# Allegro board Chronos.brd (continued)
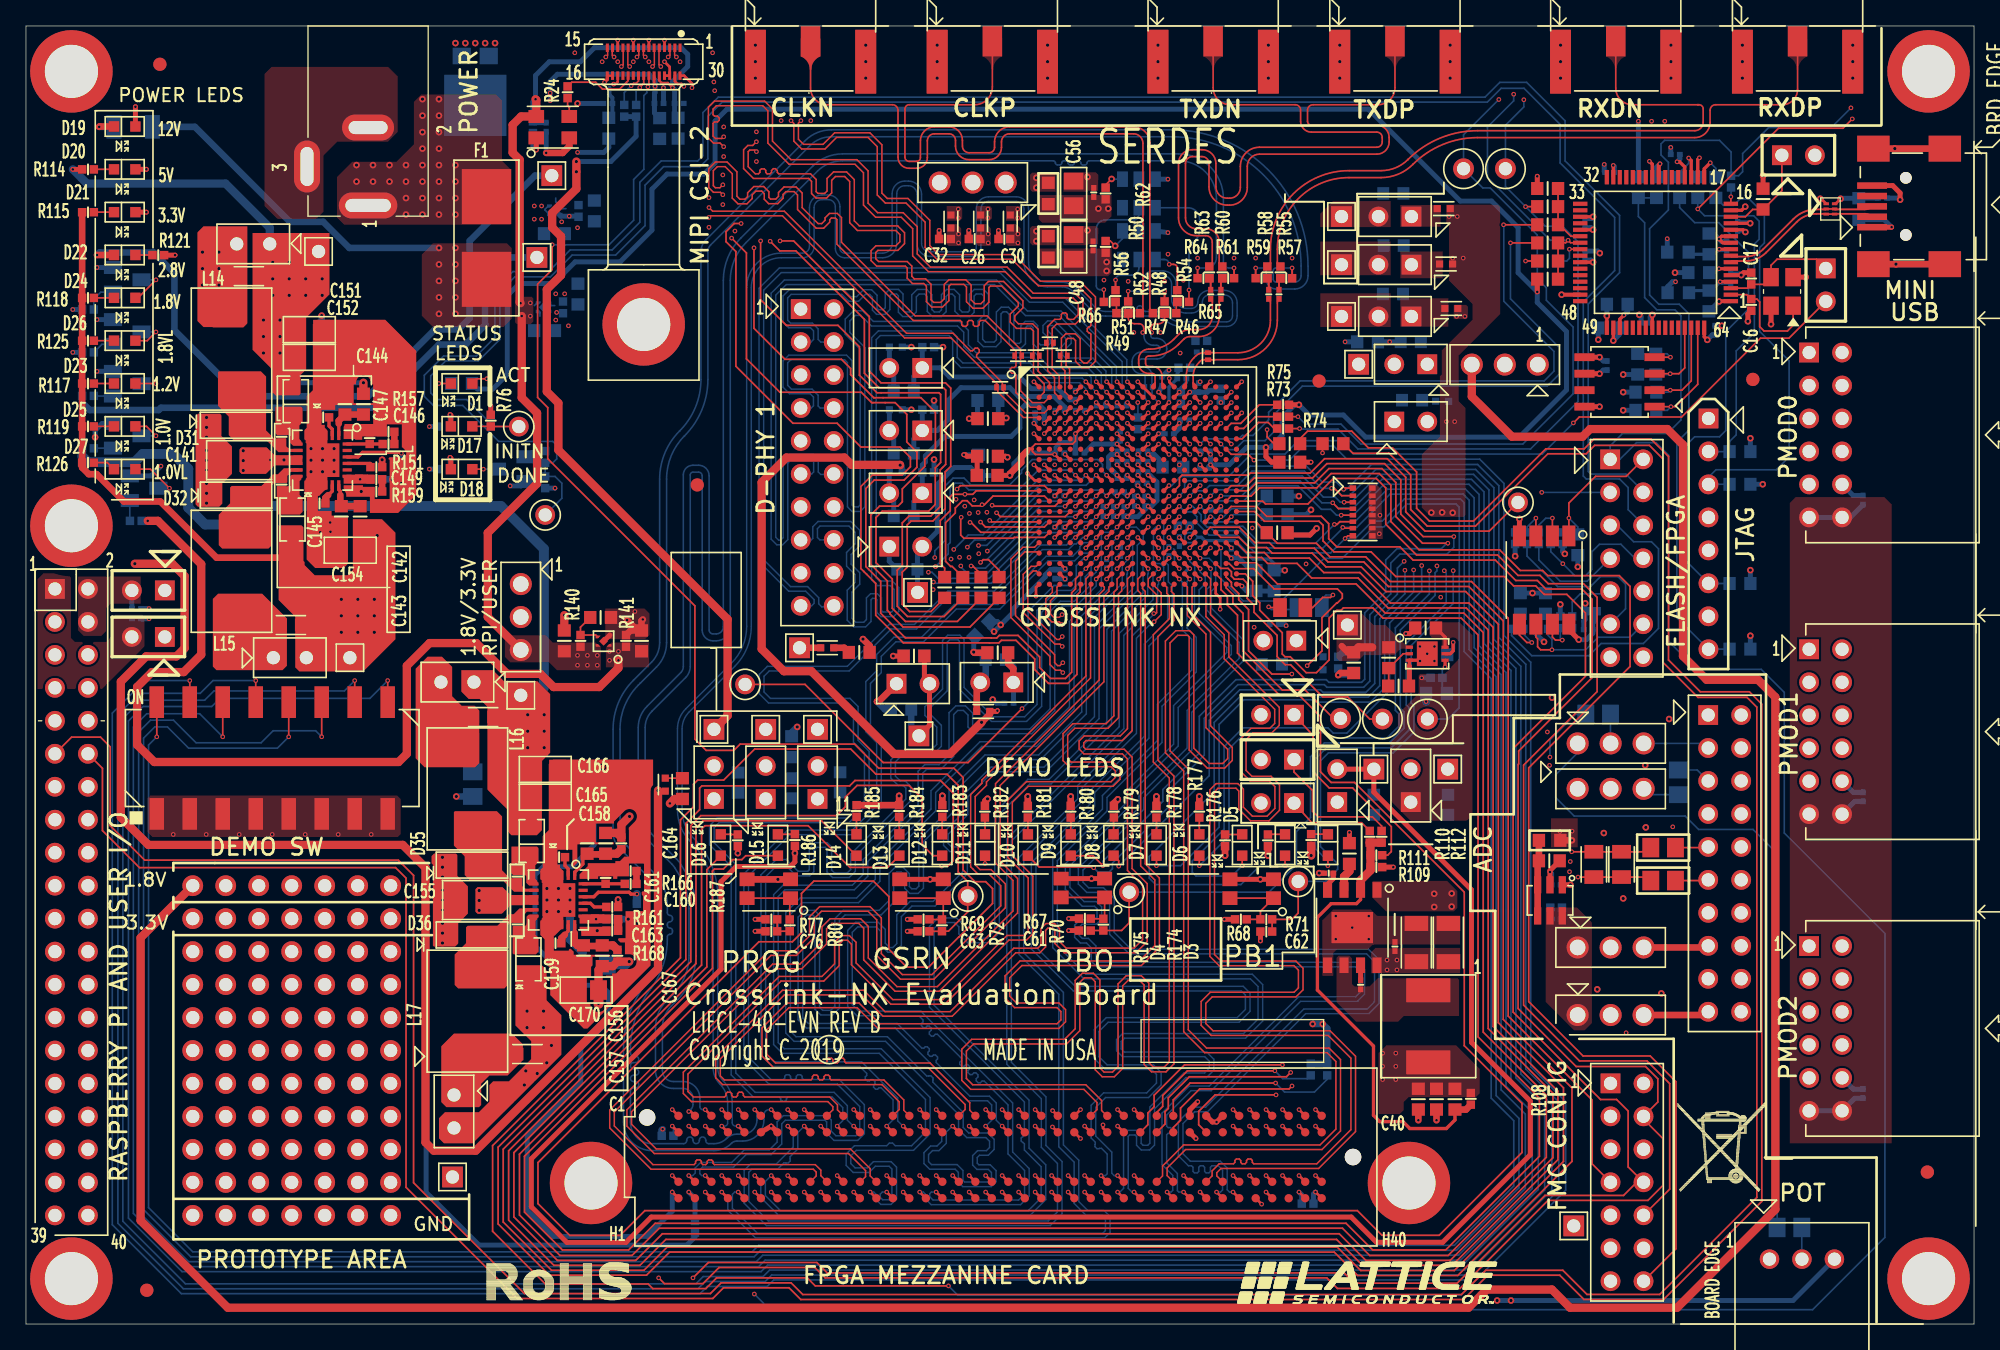
[diagram p0: board, top side]
## Routing (per net, layer and track width the routed paths; a pad name or vN(x,y) marks a point on that pad's centre or on a via; arc(x,y) is an arc through that point) (continued)
DQ1_MISO: length 50.4
  TOP w0.203: U3.D15 v1(89.61,70.19)
  L04_SIG w0.127: J20.7 121.07,58.99 119.68,60.38 119.68,64.5 112.88,71.3 103.51,71.3 103.02,71.79 101.56,71.79 101.14,72.22 93.42,72.22 93.08,72.56 92.58,72.56 92.21,72.2 91.02,72.2 90,71.18 90,70.59 v1(89.61,70.19)
  BOTTOM w0.127: R89.1 116.49,58.86 118.13,57.23 120.22,57.23 J20.7
DQ2: length 64.8
  TOP w0.203: U3.D14 v1(88.81,70.19)
  L04_SIG w0.127: v1(88.81,70.19) 89.2,70.59 89.2,71.11 89.46,71.36 89.7,71.36 90.04,71.7 90.04,72.77 90.24,72.97 91.43,72.97 91.54,72.86 92.42,72.86 92.53,72.97 94.68,72.97 94.96,72.69 101.3,72.69 101.81,72.17 103.18,72.17 103.67,71.68 113.04,71.68 120.07,64.66 120.07,60.83 120.65,60.25 122.68,60.25 123.16,59.77 123.16,55.09 J20.11
  BOTTOM w0.127: J20.11 123.17,55.1 123.17,56.99 122.58,57.58 121.23,57.58 120.46,56.81 117.94,56.81 115.58,59.16 R91.2
DQ3: length 47.2
  TOP w0.203: U3.D16 v1(90.41,70.19)
  L04_SIG w0.127: v1(90.41,70.19) 90.41,70.42 90.8,70.81 90.8,71.17 91.36,71.73 92.22,71.73 92.66,72.17 92.96,72.17 93.34,71.8 101,71.8 101.38,71.41 102.86,71.41 103.37,70.91 112.74,70.91 119.28,64.37 119.28,60.2 120.92,58.56 120.92,57.52 J20.9
  BOTTOM w0.127: J20.9 121.78,56.25 119.68,56.25 119.06,55.63 R90.1
FLASH_CS: length 13.3
  TOP w0.127: U6.1 v1(118.81,62.09) 118.81,63.25 120.86,65.3 123.21,65.3 J20.2
  BOTTOM w0.127: R88.2 R84.1 119.33,60.99 C79.1 119.49,61.4 v1(118.81,62.09)
FMC_CLK0_N: length 90.9
  TOP w0.112: U3.W12 86.42,57.4 86.42,56.82 87.06,56.18 87.06,54.8 87,54.74 v1(86.84,54.74)
  TOP w0.203: U9.H5 v1(54.84,10.17)
  BOTTOM w0.112: v1(54.84,10.17) 54.57,10.17 54.39,10 54.39,8.92 56.32,7 82.91,7 83.12,7.2 83.12,8.13 82.86,8.4 81.6,8.4 80.71,9.29 80.71,12.47 79.53,13.65 79.53,25.4 76.47,28.46 76.47,35.95 80.98,40.46 80.98,41.48 85.15,45.65 85.15,52.98 86.84,54.68 v1(86.84,54.74)
FMC_CLK0_P: length 90.9
  TOP w0.112: U3.Y12 86.81,56.93 87.42,56.33 87.42,54.65 v1(86.87,54.1)
  TOP w0.203: U9.H4 v1(53.57,10.17)
  BOTTOM w0.112: v1(86.87,54.1) 86.59,53.82 86.49,53.82 85.51,52.84 85.51,45.5 81.34,41.33 81.34,40.31 76.83,35.8 76.83,28.61 79.88,25.55 79.88,13.8 81.06,12.62 81.06,9.44 81.75,8.75 83,8.75 83.48,8.28 83.48,7.06 83.06,6.64 56.17,6.64 54.04,8.77 54.04,9.7 v1(53.57,10.17)
FMC_CLK1_N: length 90.9
  TOP w0.203: U9.G3 v1(52.3,11.44) ; U3.T7 v1(82.41,59.79)
  BOTTOM w0.112: v1(52.3,11.44) 52.03,11.44 51.89,11.58 51.89,11.88 52.1,12.09 54.48,12.09 55.45,13.06 57.38,13.06 58.19,13.87 58.19,15.42 58.47,15.7 61.52,15.7 61.65,15.57 61.65,14.72 62.22,14.15 64.05,14.15 64.55,14.66 64.55,16.9 62.62,18.84 59.88,18.84 59.76,18.95 59.76,19.09 59.65,19.2 59.43,19.2 59.32,19.09 59.32,18.95 59.21,18.84 58.98,18.84 58.87,18.95 58.87,19.09 58.76,19.2 58.53,19.2 58.42,19.09 58.42,18.95 58.31,18.84 57.36,18.84 55.63,20.56 55.63,34.53 58.81,37.7 63.78,37.7 65.86,39.78 65.86,44.95 65.02,45.79 65.02,49.35 65.86,50.18 65.86,51.43 66.98,52.55 69.11,52.55 71.63,55.08 74.99,55.08 78.71,58.8 80.75,58.8 81.34,59.39 82,59.39 v1(82.41,59.79)
FMC_CLK1_P: length 90.9
  TOP w0.203: U9.G2 v1(51.03,11.44) ; U3.R7 v1(82.41,60.59)
  BOTTOM w0.112: v1(82.41,60.59) 82.01,60.19 81.45,60.19 81.15,59.89 81.15,59.7 80.6,59.15 78.56,59.15 74.84,55.43 71.48,55.43 68.96,52.91 66.83,52.91 65.5,51.58 65.5,50.33 64.67,49.5 64.67,45.64 65.5,44.8 65.5,39.93 63.63,38.06 58.66,38.06 55.28,34.67 55.28,20.41 57.21,18.48 62.47,18.48 64.2,16.75 64.2,14.8 63.9,14.5 62.37,14.5 62.01,14.86 62.01,15.72 61.67,16.06 58.32,16.06 57.84,15.57 57.84,14.02 57.23,13.41 55.3,13.41 54.34,12.45 51.95,12.45 51.53,12.03 51.53,11.63 51.34,11.44 v1(51.03,11.44)
FMC_LA00_CC_N: length 90.9
  TOP w0.203: U9.G7 v1(57.38,11.44) ; U3.U11 v1(86.41,58.99)
  BOTTOM w0.112: v1(86.41,58.99) 86.02,58.6 86.02,56.31 83.23,53.53 83.23,46.41 78.78,41.96 77.14,41.96 74.6,39.42 74.6,30.29 74.03,29.72 72.67,29.72 72.19,30.2 72.19,30.75 71.65,31.29 70.23,31.29 69.57,30.63 69.57,24.41 76.88,17.1 76.88,14.55 76.77,14.44 76.74,14.44 76.63,14.33 76.63,14.1 76.74,13.99 76.77,13.99 76.88,13.88 76.88,13.4 78.17,12.12 78.17,9.73 77.16,8.72 58.11,8.72 56.94,9.9 56.94,10.99 v1(57.38,11.44)
FMC_LA00_CC_P: length 90.9
  TOP w0.203: U9.G6 v1(56.11,11.44) ; U3.V11 v1(86.41,58.19)
  BOTTOM w0.112: v1(86.41,58.19) 86.41,57.8 86.37,57.76 86.37,56.16 83.59,53.38 83.59,46.26 78.93,41.61 77.29,41.61 74.95,39.27 74.95,30.14 74.17,29.37 72.52,29.37 71.83,30.06 71.83,30.6 71.5,30.93 70.37,30.93 69.92,30.48 69.92,24.56 77.23,17.25 77.23,13.55 78.52,12.26 78.52,9.58 77.31,8.37 57.96,8.37 56.58,9.75 56.58,10.97 v1(56.11,11.44)
FMC_LA01_CC_N: length 90.9
  TOP w0.203: U3.V12 86.81,58.58 v1(87.21,58.18) ; U9.D9 v1(59.92,15.25)
  BOTTOM w0.112: v1(59.92,15.25) 59.43,14.75 59.43,13.48 58.83,12.89 58.83,12.73 58.84,12.72 58.84,12.56 58.69,12.4 58.53,12.4 58.52,12.41 58.36,12.41 57.91,11.96 55.93,11.96 55.66,11.69 55.66,9.45 57.17,7.94 78.72,7.94 79.42,8.64 79.42,12.37 78.18,13.61 78.18,17.35 75.52,20.01 75.52,37.36 84.18,46.02 84.18,53.2 86.78,55.8 86.78,57.76 87.2,58.18 v1(87.21,58.18)
FMC_LA01_CC_P: length 90.9
  TOP w0.203: U9.D8 v1(58.65,15.25) ; U3.W13 v1(87.21,57.39)
  BOTTOM w0.112: v1(58.65,15.25) 58.68,15.25 59.08,14.85 59.08,13.63 57.76,12.32 55.78,12.32 55.3,11.84 55.3,9.31 57.02,7.59 78.87,7.59 79.78,8.49 79.78,12.52 78.54,13.76 78.54,17.5 75.88,20.16 75.88,37.21 84.54,45.87 84.54,53.05 87.14,55.66 87.14,56.92 87.21,57 v1(87.21,57.39)
FMC_LA02_N: length 91.4
  TOP w0.112: v1(79.78,54.65) 79.57,54.44 79.14,54.44 78.88,54.7 78.88,55.72 79.39,56.22 79.39,56.77 U3.Y3
  TOP w0.203: U9.H8 v1(58.65,10.17)
  L04_SIG w0.102: v1(79.78,54.65) 79.57,54.45 79.41,54.45 77.19,52.24 77.19,45.03 76.25,44.08 76.25,39.17 74.67,37.59 68.37,37.59 61.98,31.2 57.88,31.2 56.21,29.53 46.23,29.53 45.16,28.46 45.16,20.25 47.79,17.62 51.85,17.62 52.82,16.65 52.82,8.13 53.7,7.26 57.56,7.26 58.23,7.93 58.23,9.92 58.48,10.17 v1(58.65,10.17)
FMC_LA02_P: length 91.4
  TOP w0.112: U3.Y2 79.03,56.77 79.03,56.37 78.53,55.87 78.53,54.55 78.99,54.09 79.58,54.09 v1(79.78,53.89)
  TOP w0.203: U9.H7 v1(57.38,10.17)
  L04_SIG w0.102: v1(57.38,10.17) 57.61,10.17 57.87,9.9 57.87,8.07 57.41,7.61 55.96,7.61 55.86,7.71 55.86,7.93 55.75,8.03 55.55,8.03 55.45,7.93 55.45,7.71 55.35,7.61 55.14,7.61 55.04,7.71 55.04,7.93 54.94,8.03 54.74,8.03 54.64,7.93 54.64,7.71 54.53,7.61 53.84,7.61 53.18,8.28 53.18,16.8 52,17.97 47.94,17.97 45.52,20.4 45.52,28.31 46.38,29.17 56.35,29.17 58.03,30.85 62.13,30.85 68.51,37.23 74.82,37.23 76.61,39.02 76.61,43.94 77.55,44.88 77.55,52.09 79.49,54.03 79.64,54.03 v1(79.78,53.89)
FMC_LA03_N: length 93.9
  TOP w0.112: U9.G10 61.2,11.43 61.2,11.85 60.78,12.28 53.01,12.28 52.9,12.39 52.9,12.53 52.79,12.64 52.56,12.64 52.45,12.53 52.45,12.39 52.34,12.28 52.12,12.28 52.01,12.39 52.01,12.53 51.89,12.65 51.67,12.65 51.56,12.53 51.56,12.39 51.45,12.28 48.28,12.28 45.3,15.25 45.3,16.34 57.36,28.4 59.33,28.4 60.69,29.76 60.69,31.23 61.26,31.8 64.85,31.8 65.51,31.14 65.51,28.39 67.33,26.56 69.91,26.56 75.41,32.07 75.41,33.91 74.31,35.01 73.46,35.01 73.09,35.38 73.09,40.64 73.96,41.5 73.96,41.76 81.97,49.77 81.97,56.95 U3.Y6
FMC_LA03_P: length 93.9
  TOP w0.112: U9.G9 60.85,11.41 60.85,11.7 60.63,11.92 48.13,11.92 44.95,15.11 44.95,16.49 57.22,28.76 59.18,28.76 60.33,29.91 60.33,31.38 61.11,32.15 64.99,32.15 65.86,31.28 65.86,28.54 67.48,26.92 69.76,26.92 75.06,32.22 75.06,33.76 74.17,34.65 73.31,34.65 72.95,35.02 72.74,35.23 72.74,40.79 73.6,41.65 73.6,41.91 81.61,49.92 81.61,57.4 U3.W6
FMC_LA04_N: length 91.4
  TOP w0.112: v1(79.79,52.96) 79.57,52.74 79.37,52.74 77.14,54.97 77.14,57.61 77.55,58.02 77.79,58.02 U3.W1
  TOP w0.203: U9.H11 v1(62.46,10.17)
  L04_SIG w0.102: v1(62.46,10.17) 62.19,10.17 62.02,10 62.02,8.99 61.57,8.54 60.92,8.54 60.44,9.02 60.44,16.83 59.52,17.75 53.22,17.75 52.43,18.54 48.61,18.54 47.19,19.96 47.19,26.97 48.82,28.6 56.68,28.6 58.24,30.17 62.25,30.17 68.74,36.66 75.22,36.66 78.15,39.59 78.15,51.59 79.29,52.73 79.56,52.73 v1(79.79,52.96)
FMC_LA04_P: length 91.4
  TOP w0.112: U3.V1 77.79,58.37 77.4,58.37 76.79,57.75 76.79,54.82 79.22,52.38 79.61,52.38 v1(79.79,52.2)
  TOP w0.203: U9.H10 v1(61.19,10.17)
  L04_SIG w0.102: v1(61.19,10.17) 61.42,10.17 61.66,9.92 61.66,9.14 61.42,8.89 61.07,8.89 60.8,9.17 60.8,12.71 60.9,12.81 60.98,12.81 61.08,12.91 61.08,13.11 60.98,13.22 60.9,13.22 60.8,13.32 60.8,13.52 60.9,13.62 60.98,13.62 61.08,13.72 61.08,13.93 60.98,14.03 60.9,14.03 60.8,14.13 60.8,16.97 59.67,18.1 53.37,18.1 52.58,18.89 48.76,18.89 47.55,20.1 47.55,26.83 48.97,28.25 56.83,28.25 58.39,29.81 62.39,29.81 68.89,36.3 75.37,36.3 78.51,39.44 78.51,51.44 79.44,52.37 79.62,52.37 v1(79.79,52.2)
FMC_LA05_N: length 90.9
  TOP w0.203: U3.R6 v1(81.61,60.59) ; U9.D12 v1(63.73,15.25)
  BOTTOM w0.112: v1(63.73,15.25) 63.7,15.25 63.25,15.7 63.25,16.82 62.22,17.85 56.15,17.85 54.66,19.34 54.66,35.41 52.99,37.07 52.99,38.25 53.37,38.63 63.38,38.63 64.92,40.17 64.92,44.12 64.07,44.97 64.07,47.57 63.45,48.2 57.32,48.2 56.83,48.69 56.83,49.9 57.24,50.31 63.39,50.31 66.62,53.54 68.57,53.54 71.14,56.11 74.71,56.11 78.25,59.66 80.27,59.66 80.71,60.09 80.87,60.09 81.37,60.59 v1(81.61,60.59)
FMC_LA05_P: length 90.9
  TOP w0.203: U9.D11 v1(62.46,15.25) ; U3.R5 v1(80.81,60.59)
  BOTTOM w0.112: v1(62.46,15.25) 62.89,15.67 62.89,16.68 62.07,17.49 58.67,17.49 58.56,17.38 58.56,17.28 58.45,17.16 58.22,17.16 58.11,17.28 58.11,17.38 58,17.49 56,17.49 54.3,19.19 54.3,35.26 52.64,36.92 52.64,38.39 53.22,38.98 63.23,38.98 64.56,40.32 64.56,43.97 63.72,44.82 63.72,47.43 63.3,47.84 57.18,47.84 56.47,48.55 56.47,50.05 57.09,50.67 63.24,50.67 66.47,53.9 68.42,53.9 70.99,56.47 74.56,56.47 78.11,60.02 80.13,60.02 80.7,60.59 v1(80.81,60.59)
FMC_LA06_N: length 93.9
  TOP w0.112: U3.Y9 84.37,56.95 84.37,56.48 84.12,56.23 84.12,46.7 83.31,45.89 80.76,45.89 80.21,45.34 80.21,43.55 80.47,43.29 83.7,43.29 84.24,42.75 84.24,41.97 83.7,41.43 77.18,41.43 75.95,40.2 75.95,36.09 77.53,34.51 77.53,30.07 77.04,29.58 75.68,29.58 70.75,24.64 66.59,24.64 63.56,27.67 63.56,29.26 63.26,29.57 62.92,29.57 62.62,29.27 62.62,27.61 61.43,26.42 58.14,26.42 50.97,19.26 50.97,17.91 51.39,17.49 53.79,17.49 53.9,17.6 53.9,17.75 54.01,17.86 54.23,17.86 54.35,17.75 54.35,17.6 54.46,17.49 54.68,17.49 54.79,17.6 54.79,17.75 54.91,17.86 55.13,17.86 55.24,17.75 55.24,17.6 55.35,17.49 61.89,17.49 62.48,16.89 62.48,16.5 U9.C11
FMC_LA06_P: length 93.9
  TOP w0.112: U3.W9 84.01,57.4 84.01,56.62 83.77,56.38 83.77,46.85 83.17,46.25 80.61,46.25 79.86,45.49 79.86,43.4 80.32,42.94 83.55,42.94 83.89,42.61 83.89,42.11 83.55,41.78 77.03,41.78 75.59,40.34 75.59,35.94 77.17,34.36 77.17,30.22 76.89,29.93 75.54,29.93 70.6,25 66.74,25 63.92,27.82 63.92,29.41 63.4,29.92 62.77,29.92 62.26,29.42 62.26,27.76 61.29,26.78 57.99,26.78 50.62,19.4 50.62,17.76 51.24,17.14 61.74,17.14 62.13,16.75 62.13,16.5 U9.C10
FMC_LA07_N: length 90.9
  TOP w0.203: U3.V7 v1(82.41,58.19) ; U9.H14 v1(66.27,10.17)
  BOTTOM w0.112: v1(66.27,10.17) 65.94,10.17 65.78,10.01 65.78,9.76 65.96,9.57 66.46,9.57 66.68,9.79 66.68,11.94 66.46,12.15 65.4,12.15 64.92,11.68 63.7,11.68 63.15,12.22 63.15,13.1 63.79,13.74 66.28,13.74 66.48,13.94 66.73,13.94 66.93,13.74 68.19,13.74 69.26,14.81 69.26,17.3 65.71,20.85 58.25,20.85 57.57,21.53 57.57,33.08 58.29,33.81 63.63,33.81 64.47,34.64 64.47,35.78 68.69,40.01 68.69,42.58 69.2,43.09 70.3,43.09 71.08,43.86 71.08,47.1 71.6,47.62 72.33,47.62 72.89,47.07 72.89,46.14 73.2,45.84 77.3,45.84 78.86,47.4 78.86,54.9 79.65,55.68 80.72,55.68 82.01,56.97 82.01,57.54 82.41,57.94 v1(82.41,58.19)
FMC_LA07_P: length 90.9
  TOP w0.203: U9.H13 v1(65,10.17) ; U3.W7 v1(82.41,57.39)
  BOTTOM w0.112: v1(65,10.17) 65.28,10.17 65.42,10.02 65.42,9.61 65.82,9.22 66.61,9.22 67.03,9.64 67.03,12.09 66.61,12.51 65.25,12.51 64.77,12.03 63.85,12.03 63.51,12.37 63.51,12.95 63.94,13.38 68.34,13.38 69.62,14.66 69.62,17.45 65.86,21.21 58.39,21.21 57.92,21.68 57.92,32.93 58.44,33.45 63.78,33.45 64.82,34.49 64.82,35.63 69.05,39.86 69.05,42.44 69.35,42.73 70.45,42.73 71.43,43.72 71.43,46.95 71.75,47.27 72.19,47.27 72.54,46.92 72.54,46 73.05,45.48 77.45,45.48 79.22,47.25 79.22,54.75 79.79,55.33 80.87,55.33 82.41,56.87 v1(82.41,57.39)
FMC_LA08_N: length 93.9
  TOP w0.112: U9.G13 65.46,10.96 65,11.42 65,11.97 63.48,13.49 48.53,13.49 46.63,15.39 46.63,16.36 57.64,27.37 59.74,27.37 61.65,29.28 61.65,30.45 62.06,30.87 64.12,30.87 64.5,30.49 64.5,28.06 66.92,25.64 70.32,25.64 76.35,31.67 76.35,34.32 75.01,35.66 75.01,41.49 83,49.48 83,56.06 83.39,56.45 83.39,56.77 U3.Y8
FMC_LA08_P: length 93.9
  TOP w0.112: U3.Y7 83.03,56.77 83.03,56.6 82.64,56.21 82.64,49.62 74.66,41.64 74.66,35.51 76,34.17 76,31.82 70.17,25.99 67.07,25.99 64.86,28.2 64.86,30.64 64.27,31.22 61.91,31.22 61.29,30.6 61.29,29.43 59.59,27.73 57.49,27.73 46.27,16.5 46.27,15.24 48.38,13.14 63.34,13.14 64.65,11.82 64.65,11.35 64.26,10.96 U9.G12
FMC_LA09_N: length 90.9
  TOP w0.203: U9.D15 v1(67.54,15.25) ; U3.U7 v1(82.41,58.99)
  BOTTOM w0.112: v1(82.41,58.99) 82.02,58.6 82.02,58.03 81.56,57.57 81.56,57.08 80.64,56.16 79.53,56.16 78.21,54.84 78.21,47.58 77.04,46.42 74.35,46.42 71.88,48.89 71.88,52.6 71.77,52.71 71.12,52.71 70.93,52.52 70.93,48.77 69.57,47.41 69.57,47.04 70.48,46.13 70.48,44.5 69.69,43.71 67.34,43.71 66.95,43.31 66.95,42.21 67.31,41.85 67.7,41.85 68.11,41.43 68.11,40.31 63.86,36.06 63.86,34.87 63.39,34.4 62.11,34.4 61.68,34.83 61.68,36.6 61.55,36.73 60.89,36.73 60.67,36.51 60.67,34.85 60.35,34.53 59.31,34.53 58.41,35.43 57.92,35.43 56.95,34.46 56.95,20.87 57.62,20.2 64.35,20.2 67.12,17.43 67.12,15.65 67.52,15.25 v1(67.54,15.25)
FMC_LA09_P: length 90.9
  TOP w0.203: U9.D14 v1(66.27,15.25) ; U3.V6 v1(81.61,58.19)
  BOTTOM w0.112: v1(66.27,15.25) 66.76,15.74 66.76,17.28 65.84,18.2 65.69,18.2 65.58,18.09 65.42,18.09 65.26,18.25 65.26,18.41 65.37,18.52 65.37,18.67 65.21,18.83 65.05,18.83 64.95,18.73 64.79,18.73 64.63,18.88 64.63,19.04 64.74,19.15 64.74,19.31 64.2,19.84 57.47,19.84 56.6,20.72 56.6,34.61 57.77,35.78 58.55,35.78 59.45,34.88 60.2,34.88 60.31,34.99 60.31,36.66 60.74,37.08 61.69,37.08 62.03,36.74 62.03,34.97 62.25,34.75 63.24,34.75 63.51,35.02 63.51,36.2 67.75,40.45 67.75,41.28 67.55,41.49 67.16,41.49 66.59,42.06 66.59,43.46 67.19,44.06 69.54,44.06 70.13,44.65 70.13,45.98 69.22,46.89 69.22,47.56 70.58,48.92 70.58,52.67 70.97,53.06 71.91,53.06 72.23,52.74 72.23,49.04 74.49,46.78 76.9,46.78 77.85,47.73 77.85,54.98 79.38,56.52 80.49,56.52 81.2,57.23 81.2,57.79 v1(81.61,58.19)
FMC_LA10_N: length 93.9
  TOP w0.112: U3.Y10 85.17,56.95 85.17,45.71 84.41,44.95 81.63,44.95 81.45,44.77 81.45,44.44 81.61,44.28 84.57,44.28 85.17,43.68 85.17,35.09 86.33,33.93 86.33,29.47 85.47,28.6 79.94,28.6 79.23,29.32 79.23,30.32 79.05,30.5 78.69,30.5 78.51,30.32 78.51,29.05 78.06,28.6 76.21,28.6 71.32,23.71 66,23.71 64.35,25.36 58.4,25.36 53.46,20.43 53.46,19.12 53.78,18.8 60.44,18.8 60.56,18.91 60.56,19.07 60.67,19.18 60.89,19.18 61,19.07 61,18.91 61.12,18.8 61.34,18.8 61.45,18.91 61.45,19.07 61.56,19.18 61.79,19.18 61.9,19.07 61.9,18.91 62.01,18.8 66.06,18.8 67.59,17.27 67.59,16.47 U9.C15
FMC_LA10_P: length 93.9
  TOP w0.112: U3.W10 84.81,57.4 84.81,45.86 84.26,45.31 81.48,45.31 81.09,44.92 81.09,44.3 81.47,43.92 84.42,43.92 84.81,43.53 84.81,34.94 85.98,33.78 85.98,29.61 85.32,28.96 80.09,28.96 79.58,29.47 79.58,30.47 79.2,30.85 78.54,30.85 78.15,30.47 78.15,29.19 77.91,28.95 76.06,28.95 71.17,24.07 66.14,24.07 64.5,25.71 58.25,25.71 53.11,20.57 53.11,18.97 53.63,18.45 65.91,18.45 67.23,17.12 67.23,16.52 U9.C14
FMC_LA11_N: length 90.9
  TOP w0.203: U3.R10 v1(84.81,60.59) ; U9.H17 v1(70.08,10.17)
  BOTTOM w0.112: v1(84.81,60.59) 85.21,60.19 85.21,56.64 82.27,53.7 82.27,46.79 78.39,42.9 74.31,42.9 72.16,40.76 72.16,39.39 70.65,37.87 70.65,36.88 71.13,36.4 71.89,36.4 72.13,36.16 72.13,34.83 69.85,32.56 68.07,32.56 67.05,31.53 67.05,29.31 66.74,29 66.5,29 66.17,29.34 66.17,30.4 65.62,30.95 63.89,30.95 63.27,30.32 63.27,24.46 63.98,23.75 68.75,23.75 69.07,23.43 69.07,23.27 68.95,23.15 68.95,22.99 69.11,22.83 69.26,22.83 69.39,22.95 69.55,22.95 69.7,22.8 69.7,22.64 69.56,22.5 69.56,22.34 69.72,22.18 69.88,22.18 70.02,22.32 70.18,22.32 72.04,20.46 72.04,20.3 71.9,20.17 71.9,20.01 72.06,19.85 72.22,19.85 72.36,19.99 72.51,19.99 72.67,19.83 72.67,19.67 72.54,19.53 72.54,19.37 72.69,19.22 72.85,19.22 72.99,19.35 73.15,19.35 73.3,19.2 73.3,19.04 73.17,18.9 73.17,18.74 73.33,18.58 73.48,18.58 73.62,18.72 73.78,18.72 75.62,16.88 75.62,13.11 76.89,11.83 76.89,10.01 76.43,9.55 69.85,9.55 69.59,9.81 69.59,10.04 69.72,10.17 v1(70.08,10.17)
FMC_LA11_P: length 90.9
  TOP w0.203: U9.H16 v1(68.81,10.17) ; U3.P10 v1(84.81,61.39)
  BOTTOM w0.112: v1(68.81,10.17) 69.1,10.17 69.23,10.03 69.23,9.67 69.7,9.2 76.58,9.2 77.24,9.86 77.24,11.98 75.97,13.25 75.97,17.03 68.89,24.11 64.12,24.11 63.63,24.6 63.63,30.18 64.04,30.59 65.48,30.59 65.81,30.26 65.81,29.19 66.36,28.65 66.89,28.65 67.41,29.16 67.41,31.39 68.22,32.2 70,32.2 72.48,34.68 72.48,36.31 72.04,36.76 71.28,36.76 71.01,37.03 71.01,37.73 72.52,39.24 72.52,40.61 74.45,42.55 78.53,42.55 82.63,46.64 82.63,53.55 85.57,56.49 85.57,59.99 86.03,60.45 86.03,60.86 85.5,61.39 v1(84.81,61.39)
FMC_LA12_N: length 91.4
  TOP w0.112: U3.T1 77.66,59.84 76.77,59.84 75.84,58.91 75.84,54.43 78.85,51.42 78.85,50.81 79.29,50.37 79.66,50.37 v1(79.84,50.18)
  TOP w0.203: U9.G16 v1(68.81,11.44)
  L04_SIG w0.102: v1(79.84,50.18) 79.84,50.28 79.7,50.41 79.56,50.41 79.45,50.3 79.45,39.08 74.6,34.23 71.26,34.23 70.4,33.37 67.39,33.37 62.8,28.78 58.73,28.78 57.27,27.32 50.89,27.32 49.74,26.17 49.74,20.81 50.74,19.81 53.1,19.81 53.88,19.03 64.98,19.03 68.35,15.66 68.35,11.89 68.79,11.44 v1(68.81,11.44)
FMC_LA12_P: length 91.4
  TOP w0.112: U3.U1 77.92,59.49 76.91,59.49 76.19,58.77 76.19,54.58 79.2,51.57 79.2,50.96 79.44,50.72 79.61,50.72 v1(79.84,50.95)
  TOP w0.203: U9.G15 v1(67.54,11.44)
  L04_SIG w0.102: v1(79.84,50.95) 79.66,50.77 79.41,50.77 79.09,50.45 79.09,39.22 74.46,34.59 71.11,34.59 70.25,33.72 67.24,33.72 62.65,29.13 58.58,29.13 57.12,27.67 50.74,27.67 49.38,26.32 49.38,20.66 50.59,19.45 52.95,19.45 53.73,18.67 60.61,18.67 60.71,18.57 60.71,18.46 60.81,18.36 61.01,18.36 61.11,18.46 61.11,18.57 61.22,18.67 61.42,18.67 61.52,18.57 61.52,18.46 61.62,18.36 61.83,18.36 61.93,18.46 61.93,18.57 62.03,18.67 64.83,18.67 67.99,15.51 67.99,11.89 67.54,11.44 v1(67.54,11.44)
FMC_LA13_N: length 90.9
  TOP w0.203: U9.D18 v1(71.35,15.25) ; U3.P9 v1(84.01,61.39)
  BOTTOM w0.112: v1(84.01,61.39) 83.61,60.99 82.91,60.99 82.8,60.89 82.8,56.58 80.35,54.12 80.35,47.54 77.66,44.86 73.45,44.86 69.69,41.09 69.69,39.67 65.4,35.38 65.4,34.26 63.96,32.82 59.61,32.82 58.5,31.71 58.5,22.42 59.14,21.78 66.18,21.78 71.81,16.15 71.81,15 72.44,14.36 73.92,14.36 74.2,14.08 74.2,13.6 73.95,13.36 73.27,13.36 72.89,12.98 72.89,12.24 73.22,11.91 74.1,11.91 74.34,11.67 74.34,11.11 74.17,10.94 72.28,10.94 72.15,11.07 72.15,11.83 71.7,12.28 69.73,12.28 69.5,12.51 69.5,13.06 69.81,13.36 70.3,13.36 70.87,13.93 70.87,14.79 71.32,15.25 v1(71.35,15.25)
FMC_LA13_P: length 90.9
  TOP w0.203: U9.D17 v1(70.08,15.25) ; U3.R9 v1(84.01,60.59)
  BOTTOM w0.112: v1(84.01,60.59) 83.62,60.2 83.62,56.89 80.7,53.97 80.7,47.39 77.81,44.5 73.6,44.5 70.04,40.94 70.04,39.52 65.75,35.24 65.75,34.11 64.1,32.46 59.76,32.46 58.86,31.56 58.86,22.57 59.29,22.14 66.33,22.14 69.36,19.11 69.51,19.11 69.52,19.12 69.68,19.12 69.84,18.96 69.84,18.8 69.83,18.79 69.83,18.63 72.17,16.3 72.17,15.14 72.59,14.72 74.06,14.72 74.55,14.23 74.55,13.45 74.1,13 73.42,13 73.25,12.83 73.25,12.39 73.37,12.27 74.25,12.27 74.7,11.82 74.7,10.96 74.32,10.59 72.13,10.59 71.79,10.93 71.79,11.68 71.55,11.93 69.58,11.93 69.14,12.36 69.14,13.2 69.66,13.72 70.15,13.72 70.51,14.07 70.51,14.84 70.1,15.25 v1(70.08,15.25)
FMC_LA14_N: length 93.9
  TOP w0.112: U9.C19 72.67,16.47 72.67,17.06 69.62,20.11 63.14,20.11 63.03,20.22 63.03,20.37 62.92,20.48 62.69,20.48 62.58,20.37 62.58,20.22 62.47,20.11 62.25,20.11 62.13,20.22 62.13,20.37 62.02,20.48 61.8,20.48 61.69,20.37 61.69,20.22 61.58,20.11 57.71,20.11 57.03,20.79 57.03,22.66 58.75,24.37 64,24.37 65.6,22.78 79.54,22.78 80.05,23.28 80.05,24.22 79.54,24.73 76.27,24.73 75.75,25.26 75.75,26.67 76.69,27.62 85.88,27.62 87.27,29.01 87.27,34.36 86.18,35.45 86.18,56.44 85.97,56.66 85.97,56.95 U3.Y11
FMC_LA14_P: length 93.9
  TOP w0.112: U9.C18 72.31,16.52 72.31,16.91 69.47,19.75 57.57,19.75 56.67,20.65 56.67,22.8 58.6,24.73 64.15,24.73 65.74,23.13 79.39,23.13 79.69,23.43 79.69,24.08 79.39,24.38 76.13,24.38 75.39,25.11 75.39,26.82 76.54,27.97 85.74,27.97 86.92,29.15 86.92,34.21 85.83,35.3 85.83,56.3 85.61,56.51 85.61,57.4 U3.W11
FMC_LA15_N: length 91.4
  TOP w0.203: U9.H20 v1(73.89,10.17) ; U3.V9 v1(84.01,58.19)
  L04_SIG w0.102: v1(84.01,58.19) 84.01,57.69 83.86,57.53 83.86,52.11 84.42,51.54 84.42,42.2 85.13,41.5 85.13,39.09 70.12,24.08 68.84,24.08 68.53,24.39 68.53,24.98 68.43,25.08 67.76,25.08 67.59,24.91 67.59,24.32 67.25,23.98 66.08,23.98 65.73,24.33 65.73,24.87 65.53,25.07 64.87,25.07 64.43,24.63 61.02,24.63 60.61,24.21 60.61,23.33 61.02,22.91 70.42,22.91 72.41,20.91 78.14,20.91 79.85,19.19 79.85,14.71 79.45,14.3 73.86,14.3 73.43,13.88 73.43,10.61 73.87,10.17 v1(73.89,10.17)
FMC_LA15_P: length 91.4
  TOP w0.203: U3.W8 v1(83.21,57.39) ; U9.H19 v1(72.62,10.17)
  L04_SIG w0.102: v1(83.21,57.39) 83.5,57.1 83.5,51.96 84.07,51.4 84.07,42.05 84.77,41.35 84.77,39.24 69.97,24.44 68.99,24.44 68.89,24.54 68.89,25.13 68.58,25.44 67.62,25.44 67.23,25.05 67.23,24.46 67.1,24.34 66.23,24.34 66.09,24.48 66.09,25.01 65.67,25.43 64.73,25.43 64.28,24.98 60.87,24.98 60.25,24.36 60.25,23.18 60.88,22.55 70.27,22.55 72.26,20.56 77.99,20.56 79.5,19.05 79.5,18.57 79.4,18.47 79.3,18.47 79.2,18.37 79.2,18.16 79.3,18.06 79.4,18.06 79.5,17.96 79.5,17.76 79.4,17.66 79.3,17.66 79.2,17.56 79.2,17.35 79.3,17.25 79.4,17.25 79.5,17.15 79.5,14.85 79.3,14.66 73.71,14.66 73.07,14.03 73.07,10.56 72.68,10.17 v1(72.62,10.17)
FMC_LA16_N: length 91.4
  TOP w0.203: U3.P8 v1(83.21,61.39) ; U9.G19 v1(72.62,11.44)
  L04_SIG w0.102: v1(72.62,11.44) 72.57,11.44 72.17,11.85 72.17,16.15 68.23,20.09 54.38,20.09 52.63,21.84 52.63,25.38 53.59,26.35 57.65,26.35 59.08,27.78 63.39,27.78 63.76,28.15 69.99,28.15 81.33,39.49 81.33,50.51 80.69,51.15 80.69,55.92 79.59,57.02 79.59,59.02 80.76,60.2 80.97,60.2 81.2,60.43 81.2,60.73 81.45,60.97 83.11,60.97 83.21,61.08 v1(83.21,61.39)
FMC_LA16_P: length 91.4
  TOP w0.203: U9.G18 v1(71.35,11.44) ; U3.P7 v1(82.41,61.39)
  L04_SIG w0.102: v1(71.35,11.44) 71.36,11.44 71.81,11.89 71.81,16 68.08,19.73 54.23,19.73 52.27,21.69 52.27,25.53 53.45,26.7 57.5,26.7 58.94,28.14 63.25,28.14 63.62,28.51 69.84,28.51 80.98,39.64 80.98,50.36 80.33,51.01 80.33,55.77 79.23,56.87 79.23,59.17 80.4,60.34 80.4,60.74 80.66,61 80.97,61 81.2,61.23 81.2,61.57 81.4,61.77 82.03,61.77 v1(82.41,61.39)
FMC_LA17_N: length 90.9
  TOP w0.203: U9.D21 v1(75.16,15.25) ; U3.V10 v1(84.81,58.19)
  BOTTOM w0.112: v1(75.16,15.25) 74.71,15.7 74.71,17.03 74.19,17.55 72.68,17.55 70.09,20.15 70.09,20.31 70.19,20.41 70.19,20.57 70.03,20.73 69.87,20.73 69.77,20.62 69.61,20.62 69.45,20.78 69.45,20.94 69.56,21.04 69.56,21.2 69.4,21.36 69.24,21.36 69.14,21.26 68.98,21.26 67.08,23.16 60.24,23.16 59.81,23.59 59.81,31.2 60.13,31.52 60.57,31.52 60.75,31.34 60.75,24.26 61.2,23.81 62.11,23.81 62.64,24.34 62.64,31.08 63.07,31.52 65.85,31.52 66.81,32.48 66.81,34.57 67.06,34.82 67.39,34.82 67.66,34.55 67.66,33.57 68.05,33.18 68.7,33.18 69.11,33.58 69.11,37.16 71.43,39.48 71.43,40.93 73.99,43.48 78.12,43.48 81.65,47.01 81.65,53.8 84.77,56.92 84.77,57.76 84.81,57.8 v1(84.81,58.19)
FMC_LA17_P: length 90.9
  TOP w0.203: U3.U10 v1(84.81,58.99) ; U9.D20 v1(73.89,15.25)
  BOTTOM w0.112: v1(73.89,15.25) 73.91,15.25 74.35,15.69 74.35,16.88 74.04,17.2 72.54,17.2 66.93,22.8 60.09,22.8 59.45,23.44 59.45,31.34 59.98,31.87 60.72,31.87 61.11,31.49 61.11,24.41 61.34,24.17 61.96,24.17 62.28,24.48 62.28,31.23 62.92,31.87 65.7,31.87 66.46,32.63 66.46,34.72 66.91,35.18 67.54,35.18 68.02,34.7 68.02,33.71 68.2,33.53 68.55,33.53 68.75,33.73 68.75,37.31 71.08,39.63 71.08,41.08 73.84,43.84 77.98,43.84 81.29,47.16 81.29,53.94 84.42,57.07 84.42,58.47 84.81,58.86 v1(84.81,58.99)
FMC_LA18_CC_N: length 91.4
  TOP w0.203: U9.C23 v1(77.7,16.52) ; U3.T8 v1(83.21,59.79)
  L04_SIG w0.102: v1(83.21,59.79) 82.97,59.79 82.57,59.4 82.26,59.4 82.25,59.39 81.37,59.39 81.14,59.15 81.14,57.02 81.71,56.45 81.71,51.51 82.51,50.71 82.51,39.28 70.19,26.96 64.04,26.96 63.61,26.53 59.25,26.53 58.12,25.4 54.43,25.4 53.73,24.7 53.73,22.2 54.87,21.06 68.57,21.06 70.19,19.44 70.34,19.44 70.44,19.54 70.59,19.54 70.73,19.4 70.73,19.25 70.63,19.15 70.63,19.01 70.77,18.86 70.91,18.86 71.02,18.97 71.16,18.97 71.3,18.82 71.3,18.68 71.2,18.57 71.2,18.43 72.23,17.41 74.1,17.41 74.43,17.74 74.43,18.56 74.86,19 76.85,19 77.28,18.58 77.28,16.92 77.68,16.52 v1(77.7,16.52)
FMC_LA18_CC_P: length 91.4
  TOP w0.203: U3.R8 v1(83.21,60.59) ; U9.C22 v1(76.43,16.52)
  L04_SIG w0.102: v1(76.43,16.52) 76.92,17 76.92,18.43 76.71,18.65 75.01,18.65 74.78,18.42 74.78,17.59 74.24,17.05 72.08,17.05 68.43,20.7 54.73,20.7 53.37,22.05 53.37,24.85 54.28,25.76 57.97,25.76 59.1,26.89 63.47,26.89 63.89,27.31 70.04,27.31 82.16,39.42 82.16,50.56 81.36,51.36 81.36,56.3 80.78,56.87 80.78,59.54 81.44,60.2 82.82,60.2 v1(83.21,60.59)
